# Altium PCB Thermostat.PCBDOC (part 1 of 5) (continued)
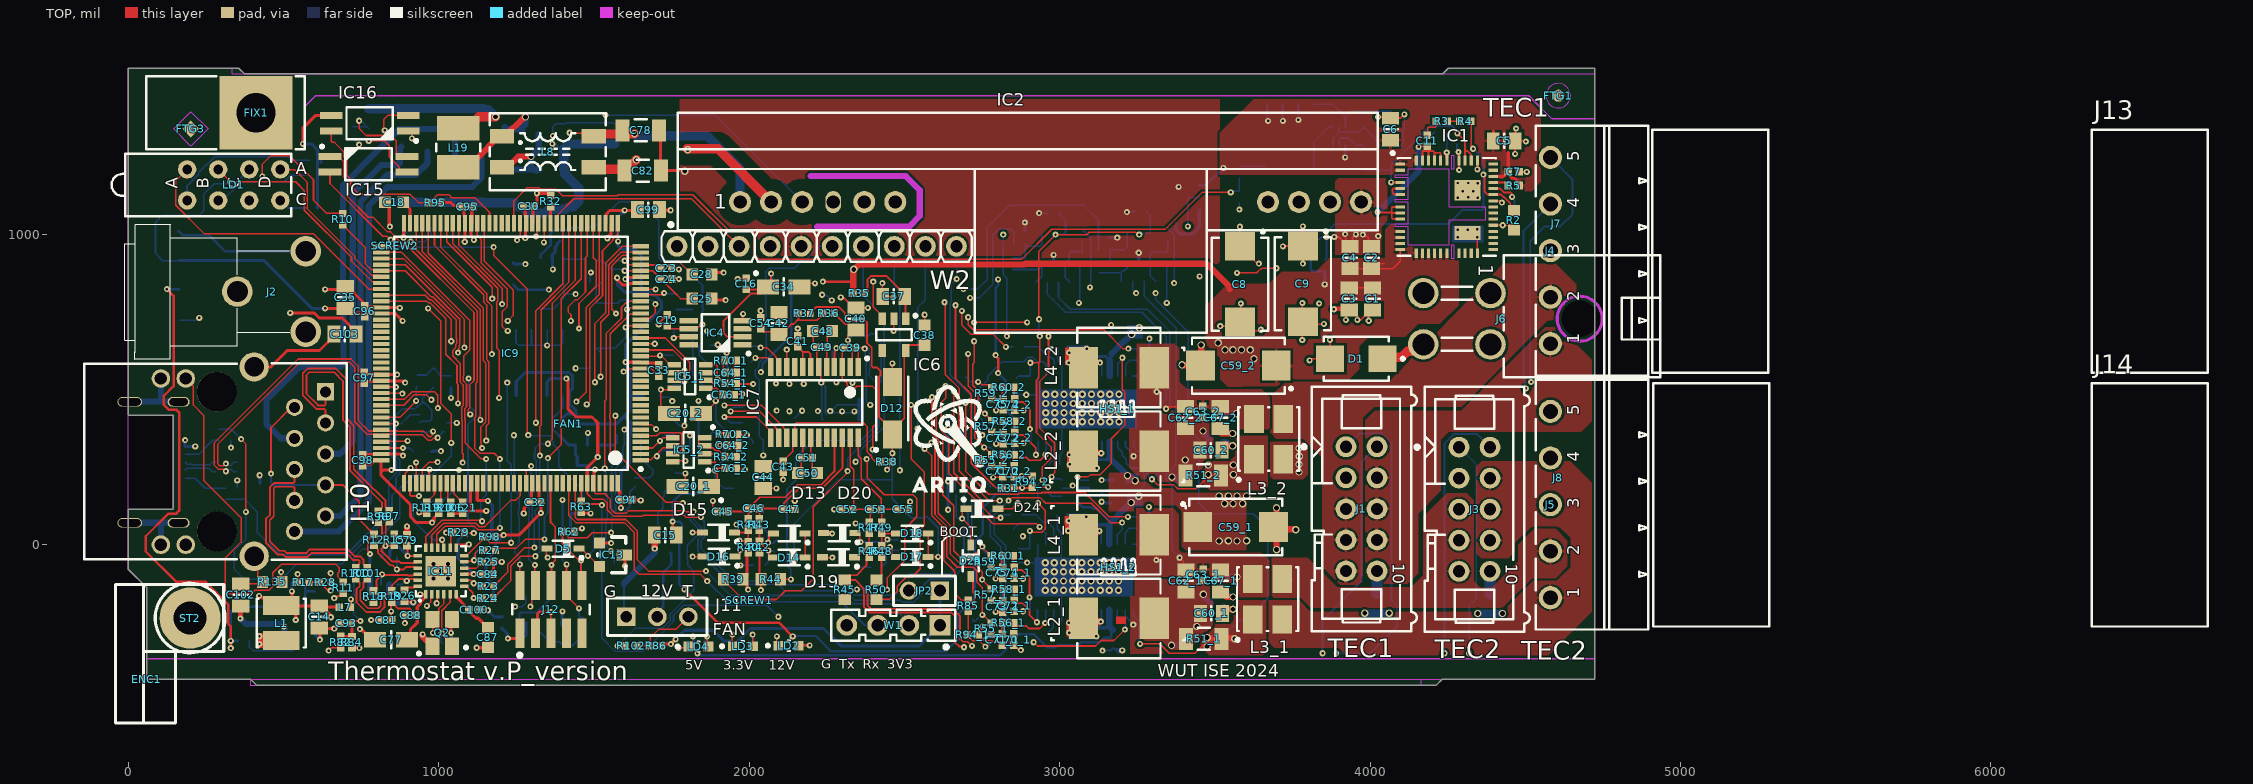
[diagram p0: TOP view]
## Components (designator, comment, footprint, x,y, rotation, side; value= is the part's Value field where it differs from the comment) (continued)
C72_2 "100nF" CAPC1005X55N 2855.88,345.28 r270 top (schematic designator C72)
C73_1 "100nF" CAPC1005X55N 2816.36,-198.68 r270 top (schematic designator C73)
C73_2 "100nF" CAPC1005X55N 2817.88,343.32 r270 top (schematic designator C73)
C74_1 "100nF" CAPC1005X55N 2854.36,-89.94 r270 top (schematic designator C74)
C74_2 "100nF" CAPC1005X55N 2855.88,452.06 r270 top (schematic designator C74)
C75_1 "100nF" CAPC1005X55N 2816.86,-89.37 r270 top (schematic designator C75)
C75_2 "100nF" CAPC1005X55N 2818.38,452.63 r270 top (schematic designator C75)
C76_1 "100nF" CAPC1005X55N 1934.06,483.27 r0 top (schematic designator C76)
C76_2 "100nF" CAPC1005X55N 1940.04,247.37 r0 top (schematic designator C76)
C77 "10uF" CAPMP3216X180N 846.46,-306.1 r180 top
C78 "4.7nF" CAPC3216X140N 1651.08,1335.24 r180 top
C79 "100nF" CAPC1005X55N 897.64,14.83 r90 top
C80 "100nF" CAPC1005X55N 778.58,-77.77 r90 bottom
C81 "100nF" CAPC1005X55N 830.71,-242.13 r0 top
C82 "4.7nF" CAPC3216X140N 1656.81,1205.48 r180 top
C83_1 "10nF" CAPC1005X55N 3287.4,71.74 r270 bottom (schematic designator C83)
C83_2 "10nF" CAPC1005X55N 3288.92,613.74 r270 bottom (schematic designator C83)
C84 "100nF" CAPC1005X55N 1157.56,-94.49 r180 top
C85 "100nF" CAPC1005X55N 443.09,198.82 r0 bottom
C86 "100nF" CAPC1005X55N 2249.08,601.59 r180 bottom
C87 "1uF" CAPC1608X87N 1158.46,-298.23 r90 top
C88 "100nF" CAPC1005X55N 910.43,-227.36 r0 top
C89_1 "100nF" CAPC1005X55N 1857.28,642.72 r0 bottom (schematic designator C89)
C89_2 "100nF" CAPC1005X55N 1854.33,353.35 r0 bottom (schematic designator C89)
C90_1 "100nF" CAPC1005X55N 3261,1073.8 r180 bottom (schematic designator C90)
C90_2 "100nF" CAPC1005X55N 2979,1068.38 r180 bottom (schematic designator C90)
C91 "10nF" CAPC1005X55N 1835.83,757.95 r180 bottom
C92 "100nF" CAPC1005X55N 3411.96,1135.14 r90 bottom
C93 "100nF" CAPC1005X55N 701.77,-251.97 r180 top
C94 "100nF" CAPC1005X55N 1604.33,145.67 r0 top
C95 "100nF" CAPC1005X55N 1092.52,1089.57 r0 top
C96 "100nF" CAPC1005X55N 761.81,751.97 r90 top
C97 "100nF" CAPC1005X55N 759.84,538.39 r90 top
C98 "100nF" CAPC1005X55N 755.5,272.64 r90 top
C99 "10uF" CAPC2012X135N 1675.2,1079.72 r0 top
C100 "1nF" CAPC1005X55N 1114.17,-209.65 r180 top
C101 "1uF" CAPC1608X87N 2680,411.24 r0 bottom
C102 "1nF" CAPC2012X135N 362.2,-161.42 r270 top
C103 "1nF" CAPC2012X135N 697.83,679.13 r0 top
C104 "10nF" CAPC1005X55N 2020.14,59.72 r180 bottom
C105 "100nF" CAPC1005X55N 2087.39,-3.44 r270 bottom
C106 "10nF" CAPC1005X55N 2033.05,-65.99 r0 bottom
C107 "10nF" CAPC1005X55N 2409.79,-70.37 r180 bottom
C108 "100nF" CAPC1005X55N 330.05,354.8 r90 bottom
C109 "100nF" CAPC1005X55N 350.97,165.22 r270 bottom
C110 "100nF" CAPC1005X55N 2480.66,-0.81 r90 bottom
C111 "10nF" CAPC1005X55N 2403.97,65.51 r0 bottom
C112_1 "10nF" CAPC1005X55N 3142.91,990.16 r180 bottom (schematic designator C112)
C112_2 "10nF" CAPC1005X55N 2870.08,1009.84 r180 bottom (schematic designator C112)
C156 "4.7nF" CAPC3216X140N 1222.44,1277.21 r90 bottom
D1 "SMBJ15A" DIOM5336X265N 3955.71,599.41 r180 top
D2 "DRTR5V0U4S-7" SOT65P210X110-6N 1280.51,-206.69 r270 bottom
D3 "DRTR5V0U4S-7" SOT65P210X110-6N 839.35,-84.15 r90 bottom
D4 "PMEG6020ER" SODFL3517X110N 1659.71,-127.44 r180 bottom
D5 "BAT165" SOD2512X110N 1400.59,-12.21 r180 top
D6 "PMEG6020ER" SODFL3517X110N 965.55,1165.35 r270 bottom
D7 "PMEG6020ER" SODFL3517X110N 1054.13,1342.52 r270 bottom
D8 "PMEG6020ER" SODFL3517X110N 874.02,1166.34 r270 bottom
D9 "PMEG6020ER" SODFL3517X110N 1142.72,1165.35 r270 bottom
D10 "PMEG6020ER" SODFL3517X110N 964.57,1342.52 r270 bottom
D11 "PMEG6020ER" SODFL3517X110N 874.02,1343.5 r270 bottom
D12 "1SMA5916BT3G" DIOM5226X220N 2460.97,439.87 r90 top
D13 "BAS416" SOD2512X110N 2129.31,36.59 r180 top
D14 "BAS416" SOD2512X110N 2129.31,-40.84 r180 top
D15 "BAS416" SOD2512X110N 1901.5,39.78 r180 top
D16 "BAS416" SOD2512X110N 1902.43,-37.67 r180 top
D17 "BAS416" SOD2512X110N 2524.91,-38.91 r180 top
D18 "BAS416" SOD2512X110N 2525.08,36.59 r180 top
D19 "BAS416" SOD2512X110N 2288,-39.81 r180 top
D20 "BAS416" SOD2512X110N 2290,37.55 r180 top
D21 "DRTR5V0U4S-7" SOT65P210X110-6N 982.27,393.11 r180 bottom
D22 "PMEG6020ER" SODFL3517X110N 1143.7,1342.52 r270 bottom
D23 "PMEG6020ER" SODFL3517X110N 1055.12,1164.37 r270 bottom
D24 "BAT165" SOD2512X110N 2750,116.14 r0 top
D25 "BAT165" SOD2512X110N 2713.52,-50.98 r270 top
D26 "PMEG6020ER" SODFL3517X110N 1659.71,415.31 r270 bottom
ENC1 "Hammond_1455C1202_Thermostat" HAMMOND_1455C1202_THERMOSTAT 59.06,-432.66 r0 top locked
FAN1 "Fan No Pin" FAN_SUNON_MF35101V1-G99-A 1417.17,390.3 r0 top
FB1 "220R@100MHz" INDC1005X55N 313.56,164.23 r90 bottom
FB2 "220R@100MHz" INDC1005X55N 292.65,354.8 r270 bottom
FIX1 "PMB-1" PMB-1 411.42,1391.73 r180 top locked
FTG1 "Use only in PCB" FIDUCIAL_TOP_C100-200 4606.3,1446.85 r90 top
FTG2 "Use only in PCB" FIDUCIAL_TOP_S100-200 203.74,1341.54 r0 bottom
FTG3 "Use only in PCB" FIDUCIAL_TOP_S100-200 201.77,1339.57 r90 top
FTG4 "Use only in PCB" FIDUCIAL_TOP_S100-200 4596.46,1437.01 r90 bottom
HS1_1 "Heat Sink No Pad" HSINK_FISCHER_ICK_BGA_11X11X10 3185.52,438.35 r0 top (schematic designator HS1)
HS1_2 "Heat Sink No Pad" HSINK_FISCHER_ICK_BGA_11X11X10 3189.46,-71.65 r0 top (schematic designator HS1)
IC1 "MIC45116-1YMP" MICROCHIP_H3QFN88-52LD-PL-3 4247.05,1088.58 r0 top locked
IC2 "AG5300" SILVERTEL_AG5300 2970.82,1104.33 r0 top locked
IC3 "TLV62565DBVT" SOT95P280X110-6N 501.97,-250 r90 bottom
IC4 "ADR435BRMZ" SOP65P490X110-8N 1891.73,683.07 r180 top
IC5_1 "AD5680BRJZ-1500RL7" SOT65P280X145-8N 1809.06,542.32 r180 top (schematic designator IC5)
IC5_2 "AD5680BRJZ-1500RL7" SOT65P280X145-8N 1805.12,306.1 r180 top (schematic designator IC5)
IC6 "ADP150AUJZ-3.3-R7" SOT95P280X90-5N 2466.39,677.07 r270 top
IC7 "AD7172-2BRUZ" SOP65P640X120-24N 2210.69,458.87 r270 top
IC8_1 "MAX1968EUI+T" TSSOP28-EP 2904.02,1.86 r90 bottom (schematic designator IC8)
IC8_2 "MAX1968EUI+T" TSSOP28-EP 2905.54,543.86 r90 bottom (schematic designator IC8)
IC9 "STM32F427ZIT6" STM-LQFP144_V 1232.28,617.13 r180 top locked
IC10 "LMV321ILT" SOT95P280X145-5N 1365.72,873.59 r270 bottom
IC11 "LAN8742A-CZ-TR" QFN24_0R5_4X4 1006.89,-84.65 r90 top
IC12 "24AA02E48T-I/OT" SOT95P280X145-5N 1478.35,373.03 r90 bottom
IC13 "STM809SWX6F" SOT-23 1517.44,5.52 r270 top
IC14_1 "LMV321ILT" SOT95P280X145-5N 3254.92,952.76 r90 bottom (schematic designator IC14)
IC14_2 "LMV321ILT" SOT95P280X145-5N 2980.32,948.82 r90 bottom (schematic designator IC14)
IC15 "ACPL-217-500E" SOIC127P700X242-4N 773.62,1225.79 r0 top
IC16 "ACPL-217-500E" SOIC127P700X242-4N 777.56,1358.27 r180 top
IC17 "LM75AIMM/NOPB" SOP65P490X109-8N 2679.13,247.05 r90 bottom
IC18_1 "74HCT2G34GW" SOT65P210X110-6N 2836.31,-288.58 r0 bottom (schematic designator IC18)
IC18_2 "74HCT2G34GW" SOT65P210X110-6N 3051,182.24 r0 bottom (schematic designator IC18)
IC19 "24AA02E48T-I/SN" SOIC127P600X175-8N 1323.82,586.95 r270 bottom
J1 "Header 10" 3M_N2510-6002RB 3972.26,115.9 r270 top locked
J2 "Jack" SWITCHCRAFT_L712RA 571.85,945.87 r0 top locked
J3 "Header 10" 3M_N2510-6002RB 4336.43,114.72 r270 top locked
J4 "PHOENIX_1803303" PHOENIX_1803303 4580.84,947.83 r90 top locked
J5 "PHOENIX_1803303" PHOENIX_1803303 4580.84,129.72 r90 top locked
J6 "Mini-Fit Jr.™" MOLEX_39-30-0040 4279.53,728.35 r270 top
J7 "1803604" PHOENIX_1803604 4600.28,1033.67 r0 top
J8 "1803604" PHOENIX_1803604 4603.74,215.9 r0 top
J9 "47642-1001" 476421001 70.87,265.75 r90 bottom locked
J10 "RJ45" ABRACON_ARJM11C7-114-BA-EW2 285.43,268.11 r270 top locked
J11 "goldpin 3x2.54" SIP3 1604,-231.76 r270 top
J12 "Header 10" HARWIN_M50-3600542 1361.36,-207.68 r0 top
J13 "1768936" PHOENIX_1768936 6324.8,946.53 r0 top
J14 "1768936" PHOENIX_1768936 6324.8,128.76 r0 top
JP2 "1798942 (goldpin 2x 2.54)" jump 2614.19,-147.53 r270 top
L1 "2.2uH" IND_MURATA_LQH44PN_P0 492.2,-251.97 r90 top
L2_1 "6.8uH" INDM6965X300N 3190.96,-236.88 r0 top (schematic designator L2)
L2_2 "6.8uH" INDM6965X300N 3190.96,301.62 r0 top (schematic designator L2)
L3_1 "600nH" IND_BOURNS_SRF0504-191Y 3669.74,-175.18 r90 top (schematic designator L3)
L3_2 "600nH" IND_BOURNS_SRF0504-191Y 3673.23,340.55 r90 top (schematic designator L3)
L4_1 "6.8uH" INDM6965X300N 3190.96,32.37 r0 top (schematic designator L4)
L4_2 "6.8uH" INDM6965X300N 3190.96,570.87 r0 top (schematic designator L4)
L5 "220R@100MHz" INDC1005X55N 1572.83,934.06 r90 bottom
L7 "220R@100MHz" INDC1005X55N 697.83,-200.79 r180 top
L8 "2x1mH" IND_WURTH_WE-SL2 1351.38,1266.54 r0 top
L9 "90R@100MHz" IND_MURATA_DLW21S 314.96,250.98 r0 bottom
L19 "10uH" IND_MURATA-PS_8400 1062.99,1279.53 r270 top
LD1 "Green/Green/HeRed/HeRed" LED_BIVAR_H485CHHGGDL 339.57,1159.45 r0 top locked
LD2 "Green" LED_KINGBRIGHT_KPH-1608CGCK 2126.97,-324.8 r0 top
LD3 "Green" LED_KINGBRIGHT_KPH-1608CGCK 1979.33,-326.77 r0 top
LD4 "Green" LED_KINGBRIGHT_KPH-1608CGCK 1836.61,-327.76 r0 top
NT1 "Net Tie" "Net Tie" 1722.28,475.98 r0 bottom net-tie
NT2 "Net Tie" "Net Tie" 2387.19,618.94 r90 bottom net-tie
NT3 "Net Tie" "Net Tie" 2374.03,608.37 r90 bottom net-tie
Q1 "8MHz" XTAL_TXC_7A 1507.87,705.71 r90 bottom
Q2 "25MHz" XTAL_EPSON_TSX-3225 1010.83,-283.46 r180 top
R1 "6k8" RESC1005X40N 3809.06,966.54 r270 bottom
R2 "1k3" RESC1608X55N 4463.12,1046.26 r90 top
R3 "10k" RESC1005X40N 4230.37,1365.09 r180 top
R4 "10k" RESC1005X40N 4306.11,1364.72 r180 top
R5 "1k6" RESC1005X40N 4462.59,1157.51 r0 top
R6 "1k6" RESC1005X40N 4225.76,1328.74 r180 bottom
R7 "240k" RESC1005X40N 545.28,-123.54 r180 bottom
R8 "51k" RESC1005X40N 598.49,-168.54 r90 bottom
R9 "1k" RESC1005X40N 590.35,1085.14 r0 bottom
R10 "1k" RESC1005X40N 690.94,1049.21 r270 top
R11 "330" RESC1005X40N 691.93,-137.8 r90 top
R12 "49R9" RESC1005X40N 791.34,15.75 r90 top
R13 "33" RESC1005X40N 2094.49,836.61 r180 bottom
R14 "82k" RESC1608X55N 1765.54,726.46 r90 bottom
R15 "49R9" RESC1005X40N 856.64,16.66 r90 top
R16 "2k" RESC1005X40N 600.07,-245.39 r90 bottom
R17 "330" RESC1005X40N 563.98,-121.06 r180 top
R18 "49R9" RESC1005X40N 789.8,-166.34 r90 top
R19 "49R9" RESC1005X40N 848.22,-166.34 r90 top
R20 "10k" RESC1005X40N 1158.7,-133.86 r180 bottom
R21 "10k" RESC1005X40N 1157.48,-172.24 r180 bottom
R22 "10k" RESC1005X40N 1164.69,-16.85 r180 bottom
R23 "33" RESC1005X40N 1158.7,-133.86 r180 top
R24 "33" RESC1005X40N 1158.46,-171.26 r180 top
R25 "10k" RESC1005X40N 1158.7,-55.12 r0 top
R26 "12k1" RESC1005X40N 889.76,-164.37 r270 top
R27 "33" RESC1005X40N 1164.69,-16.85 r180 top
R28 "10k" RESC1005X40N 634.84,-120.08 r0 top
R29 "33" RESC1005X40N 1064.96,39.78 r180 top
R30 "51k" RESC1005X40N 2796.26,186.02 r180 bottom
R31 "2k" RESC1005X40N 2833.66,183.07 r180 top
R32 "10k" RESC1005X40N 1360.24,1106.3 r270 top
R33 "10k" RESC1005X40N 1433.07,-303.15 r0 bottom
R34 "10k" RESC1005X40N 931.1,528.54 r90 bottom
R35 "33" RESC1005X40N 2353.7,810.2 r0 top
R36 "33" RESC1005X40N 2256.84,745.38 r180 top
R37 "33" RESC1005X40N 2176.92,746.08 r0 top
R38 "33" RESC1005X40N 2443,268.24 r0 top
R39 "5k11" RESC1608X55N 1948.83,-111 r180 top
R40 "51" RESC1005X40N 1996.9,-7.75 r90 top
R41 "51" RESC1005X40N 1996.9,65.51 r90 top
R42 "51" RESC1005X40N 2033.05,-6.94 r90 top
R43 "51" RESC1005X40N 2032.65,65.51 r90 top
R44 "5k11" RESC1608X55N 2069.02,-111 r180 top
R45 "5k11" RESC1608X55N 2307.9,-144.3 r270 top
R46 "51" RESC1005X40N 2386.91,-21.31 r90 top
R47 "51" RESC1005X40N 2386.91,55.1 r90 top
R48 "51" RESC1005X40N 2426.44,-21.31 r90 top
R49 "51" RESC1005X40N 2426.44,55.1 r90 top
R50 "5k11" RESC1608X55N 2409.97,-144.3 r90 top
R51_1 "0R1" RESC3216X65N 3464.5,-302.59 r180 top (schematic designator R51)
R51_2 "0R1" RESC3216X65N 3463.07,223.66 r180 top (schematic designator R51)
R52_1 "0R1" RESC3216X65N 3463.05,-302.59 r180 bottom (schematic designator R52)
R52_2 "0R1" RESC3216X65N 3461.61,223.66 r180 bottom (schematic designator R52)
R53 "10k" RESC1005X40N 1388.86,370.08 r90 bottom
R54_1 "1k6" RESC1005X40N 1940.82,520.47 r180 top (schematic designator R54)
R54_2 "1k6" RESC1005X40N 1941.02,283.78 r180 top (schematic designator R54)
R55_1 "10k" RESC1005X40N 2779.36,-269.65 r270 top (schematic designator R55)
R55_2 "10k" RESC1005X40N 2780.88,272.35 r270 top (schematic designator R55)
R56_1 "10k" RESC1005X40N 2834.36,-251.65 r0 top (schematic designator R56)
R56_2 "10k" RESC1005X40N 2835.88,290.35 r0 top (schematic designator R56)
R57_1 "10k" RESC1005X40N 2780.36,-160.15 r270 top (schematic designator R57)
R57_2 "10k" RESC1005X40N 2781.88,381.85 r270 top (schematic designator R57)
R58_1 "10k" RESC1005X40N 2835.36,-143.65 r0 top (schematic designator R58)
R58_2 "10k" RESC1005X40N 2836.88,398.35 r0 top (schematic designator R58)
R59_1 "10k" RESC1005X40N 2779.36,-53.72 r270 top (schematic designator R59)
R59_2 "10k" RESC1005X40N 2780.88,488.28 r270 top (schematic designator R59)
R60_1 "10k" RESC1005X40N 2833.36,-34.65 r0 top (schematic designator R60)
R60_2 "10k" RESC1005X40N 2834.88,507.35 r0 top (schematic designator R60)
R61 "10k" RESC1005X40N 1572.83,371.06 r90 bottom
R62 "10k" RESC1005X40N 1418.11,42.92 r180 top
R63 "10k" RESC1005X40N 1458.66,122.05 r270 top
R64 "10k" RESC1005X40N 2127.76,-324.8 r180 bottom
R65 "1k3" RESC1608X55N 1983.27,-323.82 r0 bottom
R66 "6k8" RESC1005X40N 1839.57,-326.77 r0 bottom
R67 "1k" RESC1005X40N 591.81,1190.94 r0 bottom
R68 "1k" RESC1005X40N 602.69,1238.88 r0 bottom
R69_1 "1k6" RESC1005X40N 1878.11,589.88 r0 bottom (schematic designator R69)
R69_2 "1k6" RESC1005X40N 1837.8,297.46 r270 bottom (schematic designator R69)
R70_1 "2k4" RESC1005X40N 1940,593.72 r180 top (schematic designator R70)
R70_2 "2k4" RESC1005X40N 1945.51,356.45 r180 top (schematic designator R70)
R71 "51" RESC1005X40N 1487.54,920.65 r180 bottom
R72_1 "10k" RESC1005X40N 3163.39,894.68 r90 bottom (schematic designator R72)
R72_2 "10k" RESC1005X40N 2848.43,905.51 r90 bottom (schematic designator R72)
R73 "24k" RESC1608X55N 983.27,537.4 r270 bottom
R74_1 "10k" RESC1005X40N 3126.97,894.68 r90 bottom (schematic designator R74)
R74_2 "10k" RESC1005X40N 2888.78,904.53 r90 bottom (schematic designator R74)
R75 "10k" RESC1005X40N 1039.37,525.59 r270 bottom
R76_1 "20k" RESC1005X40N 3216.54,849.41 r180 bottom (schematic designator R76)
R76_2 "20k" RESC1005X40N 2940.94,844.49 r180 bottom (schematic designator R76)
R77_1 "10k" RESC1005X40N 3143.7,950.79 r180 bottom (schematic designator R77)
R77_2 "10k" RESC1005X40N 2870.08,968.5 r180 bottom (schematic designator R77)
R78_1 "20k" RESC1005X40N 3290.35,849.41 r0 bottom (schematic designator R78)
R78_2 "20k" RESC1005X40N 3014.76,845.47 r0 bottom (schematic designator R78)
R79_1 "10k" RESC1005X40N 3348.43,1000.98 r270 bottom (schematic designator R79)
R79_2 "10k" RESC1005X40N 3072.83,997.05 r270 bottom (schematic designator R79)
R80_1 "10k" RESC1005X40N 3347.44,925.2 r90 bottom (schematic designator R80)
R80_2 "10k" RESC1005X40N 3073.82,923.43 r90 bottom (schematic designator R80)
R81 "1k6" RESC1005X40N 3431.1,1078.74 r0 bottom
R82 "10k" RESC1005X40N 684.05,-312.99 r90 top
R83 "6k8" RESC1005X40N 3449.61,1140.52 r90 bottom
R84 "6k8" RESC1005X40N 720.47,-313.98 r270 top
R85 "2k" RESC1005X40N 2705.71,-196.37 r90 top
R86 "10k" RESC1005X40N 1700.22,-324.8 r180 top
R87 "1k6" RESC1005X40N 1467.6,1021.65 r0 bottom
R88 "2k4" RESC1005X40N 1389.65,996.64 r90 bottom
R89 "33k" RESC1005X40N 3580.71,1201.51 r90 bottom
R90 "10k" RESC1005X40N 3578.98,1120.91 r90 bottom
R91 "1k3" RESC1608X55N 3979,1313.24 r90 bottom
R92 "82k" RESC1608X55N 4067.94,1365.59 r90 bottom
R93 "33k" RESC1005X40N 4056,1283.24 r180 bottom
R94_1 "200k" RESC1005X40N 2719.86,-289.76 r0 top (schematic designator R94)
R94_2 "200k" RESC1005X40N 2912.09,203.68 r90 top (schematic designator R94)
R95 "10k" RESC1005X40N 989.17,1102.36 r0 top
R96 "33" RESC1005X40N 805.32,90.92 r90 top
R97 "33" RESC1005X40N 840.47,91.7 r90 top
R98 "1k6" RESC1005X40N 1164.69,26.46 r180 top
R99 "10k" RESC1005X40N 1064.96,43.11 r180 bottom
R100 "33" RESC1005X40N 733.27,-91.62 r90 top
R101 "33" RESC1005X40N 769.69,-90.85 r90 top
R102 "10k" RESC1005X40N 1619.5,-325.76 r0 top
R103 "10k" RESC1005X40N 1834.26,187.99 r0 bottom
R104 "10k" RESC1005X40N 1631.85,300.2 r180 bottom
R105 "10k" RESC1005X40N 371.13,-308.94 r0 bottom
R106 "2k2" RESC1005X40N 1038.39,119.09 r270 top
R107_1 "0" RESC1005X40N 2861.42,97.18 r0 bottom (schematic designator R107)
R107_2 "0" RESC1005X40N 2868.81,637.83 r0 bottom (schematic designator R107)
R108_1 "10k" RESC1005X40N 3249.38,71.74 r270 bottom (schematic designator R108)
R108_2 "10k" RESC1005X40N 3250.9,613.74 r270 bottom (schematic designator R108)
R109 "0" RESC1608X55N 4022.26,-188.51 r270 bottom
R110 "0" RESC1608X55N 4386.44,-189.69 r270 bottom
R119 "2k2" RESC1005X40N 961.61,120.08 r270 top
R120 "2k2" RESC1005X40N 1000,120.08 r270 top
R121 "2k2" RESC1005X40N 1076.77,119.09 r270 top
R135 "1M" RESC1608X55N 463.62,-119.32 r0 top
R140 "82k" RESC1608X55N 774.61,1373.03 r90 bottom
R146 "20k" RESC1005X40N 722.64,1328.74 r90 bottom
R166 "10" RESC2012X60N 1363.19,1209.45 r180 bottom
R168 "220" RESC1608X55N 943.22,1023.62 r180 bottom
R184 "82k" RESC1608X55N 1567,1322.83 r90 bottom
SCREW1 "warning: 100pcs" HAMMOND_1455MS100BK_v 2000.03,-177.69 r0 top value=#6x3/8
SCREW2 "warning: 100pcs" HAMMOND_1455MS100BK_v 858.3,964.04 r90 top value=#6x3/8
ST2 "SCHROFF_PANEL_3U_4HP-Thermostat" "SCHROFF_PANEL_3HP_4U - THERMOSTAT" 199.06,-235.76 r0 top locked
T1 "SI4425DDY-T1-GE3" SOIC127P600X175-8N 3744,1312.24 r270 bottom
T2 "BC857BV" SOTFL50P160X60-6N 3901,1316.24 r90 bottom
T3 "BSS84AK" SOT95P230X110-3N 1746.06,20.2 r270 bottom
T4 "BSS138LT1G" SOT95P240X110-3N 1726,188.43 r270 bottom
T7 "FDN86246" SOT95P237X112-3N 1367.15,1322.83 r180 bottom
T8 "BSS138LT1G" SOT95P240X110-3N 1461.66,94.59 r90 bottom
TP1 "TP" TP 4473.43,1081.5 r90 bottom
TP2 "TP" TP 3977.02,1206.51 r90 bottom
TP7 "Test Point" TPS127 161.42,1010.83 r180 bottom
TP10 "Test Point" TPS127 164.37,822.83 r90 bottom
TP11 "Test Point" TPS127 163.39,916.34 r90 bottom
TP17 "Test Point" TPS127 165.35,723.43 r90 bottom
W1 "Header 4" SAMTEC_HTSW-104-23-L-S 2614.19,-259.16 r180 top
W2 "Header 10" SAMTEC_MTLW-110-07-L-S-250 1767.52,961.61 r0 top locked

## Footprints (in the part's own frame and the unit in brackets; to place one, negate y for a bottom-side part, rotate by r counter-clockwise, add the part's x,y. Pads: shape width x height; smd on the part's side, far side on the other; paste and mask are expansions set on the pad)
3M_N2510-6002RB [mm] "10 Contacts - Straight .100\" x .100\" Low Profile Four-Wall Header"
  round 1.7 hole 1: 1(-5.08,-1.27) 2(-5.08,1.27) 3(-2.54,-1.27) 4(-2.54,1.27) 5(0,-1.27) 6(0,1.27) 7(2.54,-1.27) 8(2.54,1.27) 9(5.08,-1.27) 10(5.08,1.27)
  silkscreen extent -10.01,-4.85 10.01,4.52, body extent -10.01,-4.11 10.01,4.52, height 9.91
476421001 [mm]
  rect 0.45x1.1 smd: 1(-1.3,2.85) 2(-0.65,2.85) 4(0.65,2.85) 5(1.3,2.85)
  rect 0.45x1.11 smd: 3(0,2.85)
  oval 0.8x2 hole 0.6 slot 1.8 at 90 deg: SHIELD(-4.95,-1.685) SHIELD(4.95,-1.685)
  oval 0.8x1.8 hole 0.6 slot 1.5 at 90 deg: SHIELD(-4.95,2.315) SHIELD(4.95,2.315)
  silkscreen extent -4,-4.07 4,4, body extent -5.1,-3.61 5.1,3.19, height 1.83
ABRACON_ARJM11C7-114-BA-EW2 [mm] "LAN Transformer, body 21.84x15.88mm"
  round 1.4 hole 0.9: 1(5.715,6.35) 2(4.445,8.89) 3(3.175,6.35) 4(1.905,8.89) 5(0.635,6.35) 6(-0.635,8.89) 7(-1.905,6.35) 8(-3.175,8.89) 9(-4.445,6.35)
  rect 1.4x1.4 hole 0.9: 10(-5.715,8.89)
  round 1.52 hole 1.02: L1(-6.8,-2.55) L2(-6.8,-4.58) L3(6.8,-2.55) L4(6.8,-4.58)
  round 3.25 hole 3.25 unplated: MH1(-5.715,0) MH2(5.715,0)
  round 2.4 hole 1.6: S1(-7.745,3.05) S2(7.745,3.05)
  silkscreen extent -8.04,-10.87 8.04,10.63, body extent -10.33,-10.87 10.33,10.63, height 16.15
C100 [mm] "1mm Diameter SMD Pad"
  round 1 smd paste-1: 1(0,0)
CAPC1005X55N [mm] "Chip Capacitor, Body 1.0x0.55mm, IPC Medium Density"
  rect 0.62x0.62 smd: 1(-0.45,0) 2(0.45,0)
  body extent -0.52,-0.27 0.53,0.28, height 0.55
CAPC1608X87N [mm] "Chip Capacitor, Body 1.6x0.8mm IPC Medium Density"
  rect 0.95x1 smd: 1(-0.8,0) 2(0.8,0)
  body extent -0.87,-0.47 0.88,0.48, height 0.87
CAPC1608X90N [mm] "Chip Capacitor, Body 1.6x0.8mm IPC Medium Density"
  rect 0.95x0.95 smd: 1(-0.75,0) 2(0.75,0)
  body extent -0.85,-0.45 0.85,0.45, height 0.9
CAPC2012X135N [mm] "Chip Capacitor, Body 2.0x1.25mm, IPC Medium Density"
  rect 1.05x1.4 smd: 1(-0.9,0) 2(0.9,0)
  silkscreen extent 0,-0.58 0,0.58, body extent -1.05,-0.67 1.05,0.68, height 1.25
CAPC3216X140N [mm] "Chip Capacitor, Body 3.2x1.6mm, IPC Medium Density"
  rect 1.15x1.8 smd: 1(-1.5,0) 2(1.5,0)
  silkscreen extent -0.5,-0.9 0.5,0.9, body extent -1.7,-0.9 1.7,0.9, height 1.4
CAPMP3216X180N [mm] "Capacitor, Polarized, Molded  Body 3.2x1.6mm, IPC Medium Density"
  rect 1.8x1.25 smd: 1(-1.3,0) 2(1.3,0)
  silkscreen extent -2.4,-0.7 0,1.25, body extent -1.7,-0.9 1.7,0.9, height 1.6
CAPMP7343X430N [mm] "Capacitor, Polarized, Molded  Body 7.3x4.3mm, IPC Medium Density"
  rect 2.35x2.45 smd: 1(-3.1,0) 2(3.1,0)
  silkscreen extent -4.42,-2.3 3.8,2.3, body extent -3.8,-2.3 3.8,2.3, height 4.3
DIOM5226X220N [mm] "DO-214-AC/SMA Diode, Molded Body; 5.21mm L X 2.60mm W X 2.20mm H, IPC Medium Density"
  rect 2.3x1.55 smd: 1(-2.15,0) 2(2.15,0)
  silkscreen extent -3.52,-1.3 2.6,1.45, body extent -2.6,-1.3 2.6,1.3, height 2.2
DIOM5336X265N [mm] "DO-214-AA/SMB Diode, Molded Body; 5.34mm L X 3.625mm W X 2.65mm H, IPC Medium Density"
  rect 2.3x2.15 smd: 1(-2.15,0) 2(2.15,0)
  silkscreen extent -3.93,-1.8 2.65,1.8, body extent -2.7,-1.95 2.7,1.95, height 2.4
FAN_SUNON_MF35101V1-G99-A [mil] "12VDC, 8.0dB(A),  35x 35 x 10mm Axial Fan"
  body extent -681,-686 701,692, height 650
FIDUCIAL_TOP_C100-200 [mm] "Round Fiducial Target, Top Layer, 1.0mm, Top Solder 2.0mm, Keepout =2.0mm"
  round 1 smd paste-0.51 mask+0.5: FTG2(0,0)
  TOP keep-out circle w0.1: c0,0 r1
FIDUCIAL_TOP_S100-200 [mm] "Square Fiducial Target, Top Layer, 1.0mm, Top Solder 2.0mm, Keepout =2.0mm"
  rect 1x1 smd rot 45 paste-0.51 mask+0.5: 1(0,0)
  TOP keep-out region: 1.414,0 0,-1.414 -1.414,0 0,1.414
HAMMOND_1455C1202_THERMOSTAT [mil]
  body extent -173,-141 4787,2108, height 758
HAMMOND_1455MS100BK_v [mil] "#6 x 3/8” TTT - thread rolling, steel screws with a #4 flat head phillips drive"
  body extent -106,-106 106,106, height 689
HARWIN_M50-3600542 [mm] "10 Contacts - Pitch 1.27mm - Dual Row SMT Vertical Pin Header"
  rect 0.74x2.4 smd: 1(-2.54,-1.95) 2(-2.54,1.95) 3(-1.27,-1.95) 4(-1.27,1.95) 5(0,-1.95) 6(0,1.95) 7(1.27,-1.95) 8(1.27,1.95) 9(2.54,-1.95) 10(2.54,1.95)
  silkscreen extent -3.17,-3.9 3.18,0.4, body extent -3.18,-2.81 3.17,2.69, height 4.69
HSINK_FISCHER_ICK_BGA_11X11X10 [mil] "L 11mm x W 11mm x H 10mm Black Anodized Heatsinks for BGA"
  silkscreen extent -217,-236 217,197, body extent -217,-236 217,197, height 512
IND_BOURNS_SRF0504-191Y [mm] "SMD Inductor Body Width 5mm Body Lenght 4.8mm Height 4.8mm"
  rect 2.3x1.6 smd: 1(-1.65,1.2) 2(-1.65,-1.2) 3(1.65,-1.2) 4(1.65,1.2)
  silkscreen extent -3.45,-2.5 2.6,2.57, body extent -2.6,-2.5 2.6,2.5, height 4.8
IND_MURATA-PS_8400 [mm] "Miniature Surface Mount Power Inductors, 4.5mm L X 3.3mm W X 2.9mm H, MURATA 8400 Series"
  rect 2x3.5 smd: 1(-1.6,0) 2(1.6,0)
  silkscreen extent -0.3,-1.8 0.3,1.8, body extent -2.4,-1.8 2.4,1.8, height 2.9
IND_MURATA_DLW21S [mm] "Common Mode Choke Coil, DLW21S Series - Body 2 x 1.2mm"
  rect 0.9x0.4 smd: 1(-0.85,-0.4) 2(0.85,-0.4) 3(0.85,0.4) 4(-0.85,0.4)
  silkscreen extent -1.92,-0.6 0,0.6, body extent -1,-0.6 1,0.6, height 1.4
IND_MURATA_LQH44PN_P0 [mm] "Wire Wound Ferrite Inductor for Power Lines, 4mm L X 4mm W X 1.65mm H, MURATA LQH44PN_P0 Series"
  rect 1.55x3 smd: 1(-1.425,0) 2(1.425,0)
  silkscreen extent -2,-2 2,2, body extent -2,-2 2,2, height 1.65
IND_WURTH_WE-SL2 [mm] "Common Mode SMD Line Filter WE-SL2"
  rect 2x1.2 smd: 1(-3.75,1.27) 2(-3.75,-1.27) 3(3.75,-1.27) 4(3.75,1.27)
  silkscreen extent -4.75,-3.15 4.75,3.15, body extent -4.75,-3.15 4.75,3.15, height 5.3
INDC1005X55N [mm] "Chip Inductor, 2-Leads, EIA 0402, Metric 1005, Body 1x0.5mm, 0402IPC Medium Density"
  rect 0.6x0.62 smd: 1(-0.46,0) 2(0.46,0)
  body extent -0.52,-0.27 0.53,0.28, height 0.55
INDM6965X300N [mm] "Inductor Molded Body, Body 6.86mm L X 6.47mm W X 3mm H, IPC Medium Density"
  rect 2.4x3.4 smd: 1(-2.9,0) 2(2.9,0)
  silkscreen extent -3.4,-3.25 3.4,3.25, body extent -3.62,-3.36 3.62,3.36, height 3
jump [mm]
  rect 1.5x1.5 hole 0.965: 1(0,0)
  round 1.5 hole 0.965: 2(0,-2.54)
  silkscreen extent -1.2,-3.81 1.2,1.27, body extent -1.26,-3.84 1.19,1.24, height 8
LED_BIVAR_H485CHHGGDL [mm] "Quad-Level 2mm (Green+Green+HeRed+HeRed) LED, PCB Edge Mounting BIVAR H485C Serie"
  round 1.5 hole 0.8: 1(-3.81,-1.27) 2(-3.81,1.27) 3(-1.27,-1.27) 4(-1.27,1.27) 5(1.27,-1.27) 6(1.27,1.27) 7(3.81,-1.27) 8(3.81,1.27)
  silkscreen extent -9.99,-2.55 4.71,2.55, body extent -9.99,-2.55 4.71,2.55, height 11.3
LED_KINGBRIGHT_KPH-1608CGCK [mm] "SMT Green LED, Case 0603, Body L 1.6 x W 0.8mm H 0.65mm"
  rect 0.8x0.8 smd: 1(-0.825,0) 2(0.825,0)
  silkscreen extent -1.82,-0.4 0.08,0.4, body extent -0.8,-0.4 0.8,0.4, height 0.65
MICROCHIP_H3QFN88-52LD-PL-3 [mm] "MICROCHIP_H3QFN88-52LD-PL-3, 0.50mm Pitch, Square, 52 Pin, 8mm L X 8mm W X 3mm H Body"
  rect 0.8x0.25 smd: 1(-3.8,3.5) 2(-3.8,3) 4(-3.8,2) 5(-3.8,1.5) 6(-3.8,1) 8(-3.8,0) 9(-3.8,-0.5) 10(-3.8,-1) 12(-3.8,-2) 13(-3.8,-2.5) 14(-3.8,-3) 15(-3.8,-3.5) 27(3.8,-3.5) 28(3.8,-3) 29(3.8,-2.5) 30(3.8,-2) 31(3.8,-1.5) 32(3.8,-1) 33(3.8,-0.5) 34(3.8,0) 35(3.8,0.5) 36(3.8,1) 37(3.8,1.5) 38(3.8,2) 39(3.8,2.5) 40(3.8,3) 41(3.8,3.5)
  rect 0.25x0.8 smd: 16(-2.5,-3.8) 17(-2,-3.8) 18(-1.5,-3.8) 19(-1,-3.8) 20(-0.5,-3.8) 21(0,-3.8) 23(1,-3.8) 24(1.5,-3.8) 25(2,-3.8) 26(2.5,-3.8) 42(2.5,3.8) 43(2,3.8) 44(1.5,3.8) 45(1,3.8) 47(0,3.8) 48(-0.5,3.8) 49(-1,3.8) 50(-1.5,3.8) 51(-2,3.8) 52(-2.5,3.8)
  rect 2.1x1.675 smd: 53(1.7,1.363)
  rect 2.1x1.15 smd: 54(1.7,-2.15)
  TOP keep-out region: -4.2,-1.625 -4.2,-1.375 -3.15,-1.375 -3.15,0.375 -4.2,0.375 -4.2,0.625 -3.15,0.625 -3.15,2.375 -4.2,2.375 -4.2,2.625 -3.15,2.625 -3.15,3.12 0.15,3.12 0.15,0.025 3.15,0.025 3.15,-1.075 0.15,-1.075 0.15,-3.12 -3.15,-3.12 -3.15,-1.625
  TOP keep-out region: 0.375,-4.2 0.625,-4.2 0.625,-3.12 0.375,-3.12
  TOP keep-out region: 0.375,3.12 0.625,3.12 0.625,4.2 0.375,4.2
  silkscreen extent -4.55,-4 4,4.52, body extent -4,-4 4,4, height 3
MOLEX_39-30-0040 [mm] "4.20mm (.165\") Pitch Mini-Fit Jr. Header, Dual Row, Right Angle with Snap-in Plastic Peg PCB Lock, 4 Circuits"
  round 2.5 hole 1.8: 1(-2.1,2.75) 2(2.1,2.75) 3(-2.1,-2.75) 4(2.1,-2.75)
  round 1 hole 3 unplated mask+1: 5(0,10.05)
  silkscreen extent -5.2,-1.24 4.8,16.65, body extent -5.2,-3.28 4.8,16.65, height 11.4
"Net Tie" [mil] "SMD Net Tie"
  rect 5x5 smd paste-2.5 mask-2.5: 1(0,0) 2(10,0)
  TOP lines w5: 0,0 10,0
PHOENIX_1768936 [mil]
  silkscreen extent 0,-392 374,391, body extent 0,-391 1613,391, height 437
PHOENIX_1803303 [mm] "PHOENIX MC Serie, Pitch 3.81mm, 8A, 160V, 5 Positions Right Angled Header"
  round 1.9 hole 1.2: 1(-7.62,0) 2(-3.81,0) 3(0,0) 4(3.81,0) 5(7.62,0)
  silkscreen extent -10.22,-8 10.22,1.2, body extent -10.22,-8 10.22,1.3, height 7.25
PHOENIX_1803604 [mil] "3.85 5 way connector"
  silkscreen extent 308,-479 682,304, body extent 48,-477 682,304, height 299
PMB-1 [mm] "PCB fixing"
  rect 6x6 hole 3.2: 1(0,0)
  silkscreen extent -4,-3 9,3, body extent -4.5,-3 13.2,3, height 13
QFN24_0R5_4X4 [mm] "SQFN 24 Pins, Pitch 0.5mm, 4mmx4mm"
  rect 0.69x0.28 smd: 1(-1.9,1.25) 2(-1.9,0.75) 3(-1.9,0.25) 4(-1.9,-0.25) 5(-1.9,-0.75) 6(-1.9,-1.25) 13(1.9,-1.25) 14(1.9,-0.75) 15(1.9,-0.25) 16(1.9,0.25) 17(1.9,0.75) 18(1.9,1.25)
  rect 0.28x0.69 smd: 7(-1.25,-1.9) 8(-0.75,-1.9) 9(-0.25,-1.9) 10(0.25,-1.9) 11(0.75,-1.9) 12(1.25,-1.9) 19(1.25,1.9) 20(0.75,1.9) 21(0.25,1.9) 22(-0.25,1.9) 23(-0.75,1.9) 24(-1.25,1.9)
  rect 2.5x2.5 smd: 25(0,0)
  silkscreen extent -2.46,-2.05 2.05,2.05, body extent -2.05,-2.05 2.05,2.05, height 1
RESC1005X40N [mm] "Chip Resistor, EIA 0402, Metric 1005, Body 1.0x0.5mm, IPC Medium Density"
  rect 0.58x0.62 smd: 1(-0.47,0) 2(0.47,0)
  body extent -0.52,-0.27 0.53,0.28, height 0.4
RESC1608X55N [mm] "Chip Resistor, EIA 0603, Metric 1608, Body 1.6x0.8mm, IPC Medium Density"
  rect 0.9x1 smd: 1(-0.8,0) 2(0.8,0)
  body extent -0.87,-0.47 0.88,0.48, height 0.55
RESC2012X60N [mm] "Chip Resistor, EIA 0805, Metric 2012, Body 2.0x1.2mm, IPC Medium Density"
  rect 0.95x1.4 smd: 1(-1,0) 2(1,0)
  silkscreen extent 0,-0.55 0,0.55, body extent -1.1,-0.67 1.1,0.68, height 0.6
RESC3216X65N [mm] "Chip Resistor, EIA 1206, Metric 3216, Body 3.2x1.6mm, IPC Medium Density"
  rect 1.15x1.8 smd: 1(-1.45,0) 2(1.45,0)
  silkscreen extent -0.5,-0.9 0.5,0.9, body extent -1.67,-0.87 1.68,0.88, height 0.65
SAMTEC_HTSW-104-23-L-S [mm] "4 Contacts - Pitch 2.54mm - Single Row  Through Mount Straigh Header (Post Lead 5.84mm, Tail Lead 2.92mm, Insulator 2.54mm)"
  rect 1.7x1.7 hole 1: 1(0,0)
  round 1.7 hole 1: 2(2.54,0) 3(5.08,0) 4(7.62,0)
  silkscreen extent -1.27,-1.27 8.89,1.93, body extent -1.27,-1.27 8.89,1.27, height 8.38
SAMTEC_MTLW-110-07-L-S-250 [mm] "10 Contacts - Pitch 2.54mm - Single Row Through Mount Straight Header (Post Lead = 6.35mm, Tail Lead 3.05mm, Insulator 1.52mm)"
  round 1.7 hole 1: 1(0,0) 2(2.54,0) 3(5.08,0) 4(7.62,0) 5(10.16,0) 6(12.7,0) 7(15.24,0) 8(17.78,0) 9(20.32,0) 10(22.86,0)
  silkscreen extent -1.27,-1.24 24.13,1.93, body extent -1.27,-1.24 24.13,1.24, height 7.87
"SCHROFF_PANEL_3HP_4U - THERMOSTAT" [mm] "Schroff PCB 3HP 4U Eurocard Panel Kit"
  round 5 hole 2.7: 0(0,0)
  silkscreen extent -6.1,-8.6 2.75,2.75, body extent -22.6,-19.75 3,108.65, height 16.94
SILVERTEL_AG5300 [mm] "Power-over-Ethernet Plus (POE+) Module, Body L 57.3mm x W 18mm x H 14mm"
  round 1.8 hole 1.1: 1(-25.406,0) 2(-22.866,0) 3(-20.326,0) 5(-15.246,0) 6(-12.706,0) 7(17.786,0) 8(20.326,0) 9(22.866,0) 10(25.406,0)
  oval 1.3x1.8 hole 1.1: 4(-17.786,0)
  silkscreen extent -30.52,-10.7 26.78,7.3, body extent -30.52,-10.7 26.78,7.3, height 14
SIP3 [mil]
  rect 60x60 hole 38: 1(0,0)
  round 60 hole 38: 2(0,100) 3(0,200)
  silkscreen extent -60,-60 60,260
SOD2512X110N [mm] "Small Outline Diode (SOD-323), 1.70mm W X 1.25mm L X 1.10mm H body,  IPC Medium Density"
  rect 0.9x0.5 smd: 1(-1.3,0) 2(1.3,0)
  silkscreen extent -1.63,-0.65 0.85,0.87, body extent -1.35,-0.67 1.35,0.68, height 1.1
SODFL3517X110N [mm] "SODFL Diode (SOD123W); 2.60mm W X 1.70mm L X 1.10mm H body, IPC Medium Density"
  rect 0.92x1.08 smd: 1(-1.6,0) 2(1.6,0)
  silkscreen extent -1.93,-0.85 0.75,1.16, body extent -1.85,-0.95 1.85,0.95, height 1.1
SOIC127P600X175-8N [mm] "SOIC 8, Pitch 1.27mm - Body 4x5mm, IPC Medium Density"
  rect 1.55x0.6 smd: 1(-2.7,1.905) 2(-2.7,0.635) 3(-2.7,-0.635) 4(-2.7,-1.905) 5(2.7,-1.905) 6(2.7,-0.635) 7(2.7,0.635) 8(2.7,1.905)
  silkscreen extent -2.52,-2.5 1.55,2.88, body extent -3.1,-2.5 3.1,2.5, height 1.75
SOIC127P700X242-4N [mm] "SOIC, 1.27mm, pitch; 4 pin, 2.60mm W X 4.40mm L X 2.42mm H body, IPC Medium Density"
  rect 1.85x0.6 smd: 1(-3.15,0.635) 2(-3.15,-0.635) 3(3.15,-0.635) 4(3.15,0.635)
  silkscreen extent -3.92,-1.3 1.9,1.57, body extent -3.5,-1.3 3.5,1.3, height 2.32
SOP65P490X109-8N [mm] "SOP, 0.65mm pitch; 8 pin,3.00mm W X 3.00mm L X 1.09mm H bodyI, PC Medium Density"
  rect 1.5x0.45 smd: 1(-2.2,0.975) 2(-2.2,0.325) 3(-2.2,-0.325) 4(-2.2,-0.975) 5(2.2,-0.975) 6(2.2,-0.325) 7(2.2,0.325) 8(2.2,0.975)
  silkscreen extent -2.82,-1.5 1.12,1.83, body extent -2.45,-1.55 2.45,1.55, height 1.09
SOP65P490X110-8N [mm] "SOP, 0.65mm pitch; 8 pin, 3.00mm W X 3.00mm L X 1.10mm H body, IPC Medium Density"
  rect 1.5x0.45 smd: 1(-2.2,0.975) 2(-2.2,0.325) 3(-2.2,-0.325) 4(-2.2,-0.975) 5(2.2,-0.975) 6(2.2,-0.325) 7(2.2,0.325) 8(2.2,0.975)
  silkscreen extent -2.83,-1.5 1.12,1.82, body extent -2.45,-1.55 2.45,1.55, height 1.1